# Altium PCB ALCT_MEZ_LX100.PcbDoc (part 5 of 10) (continued)
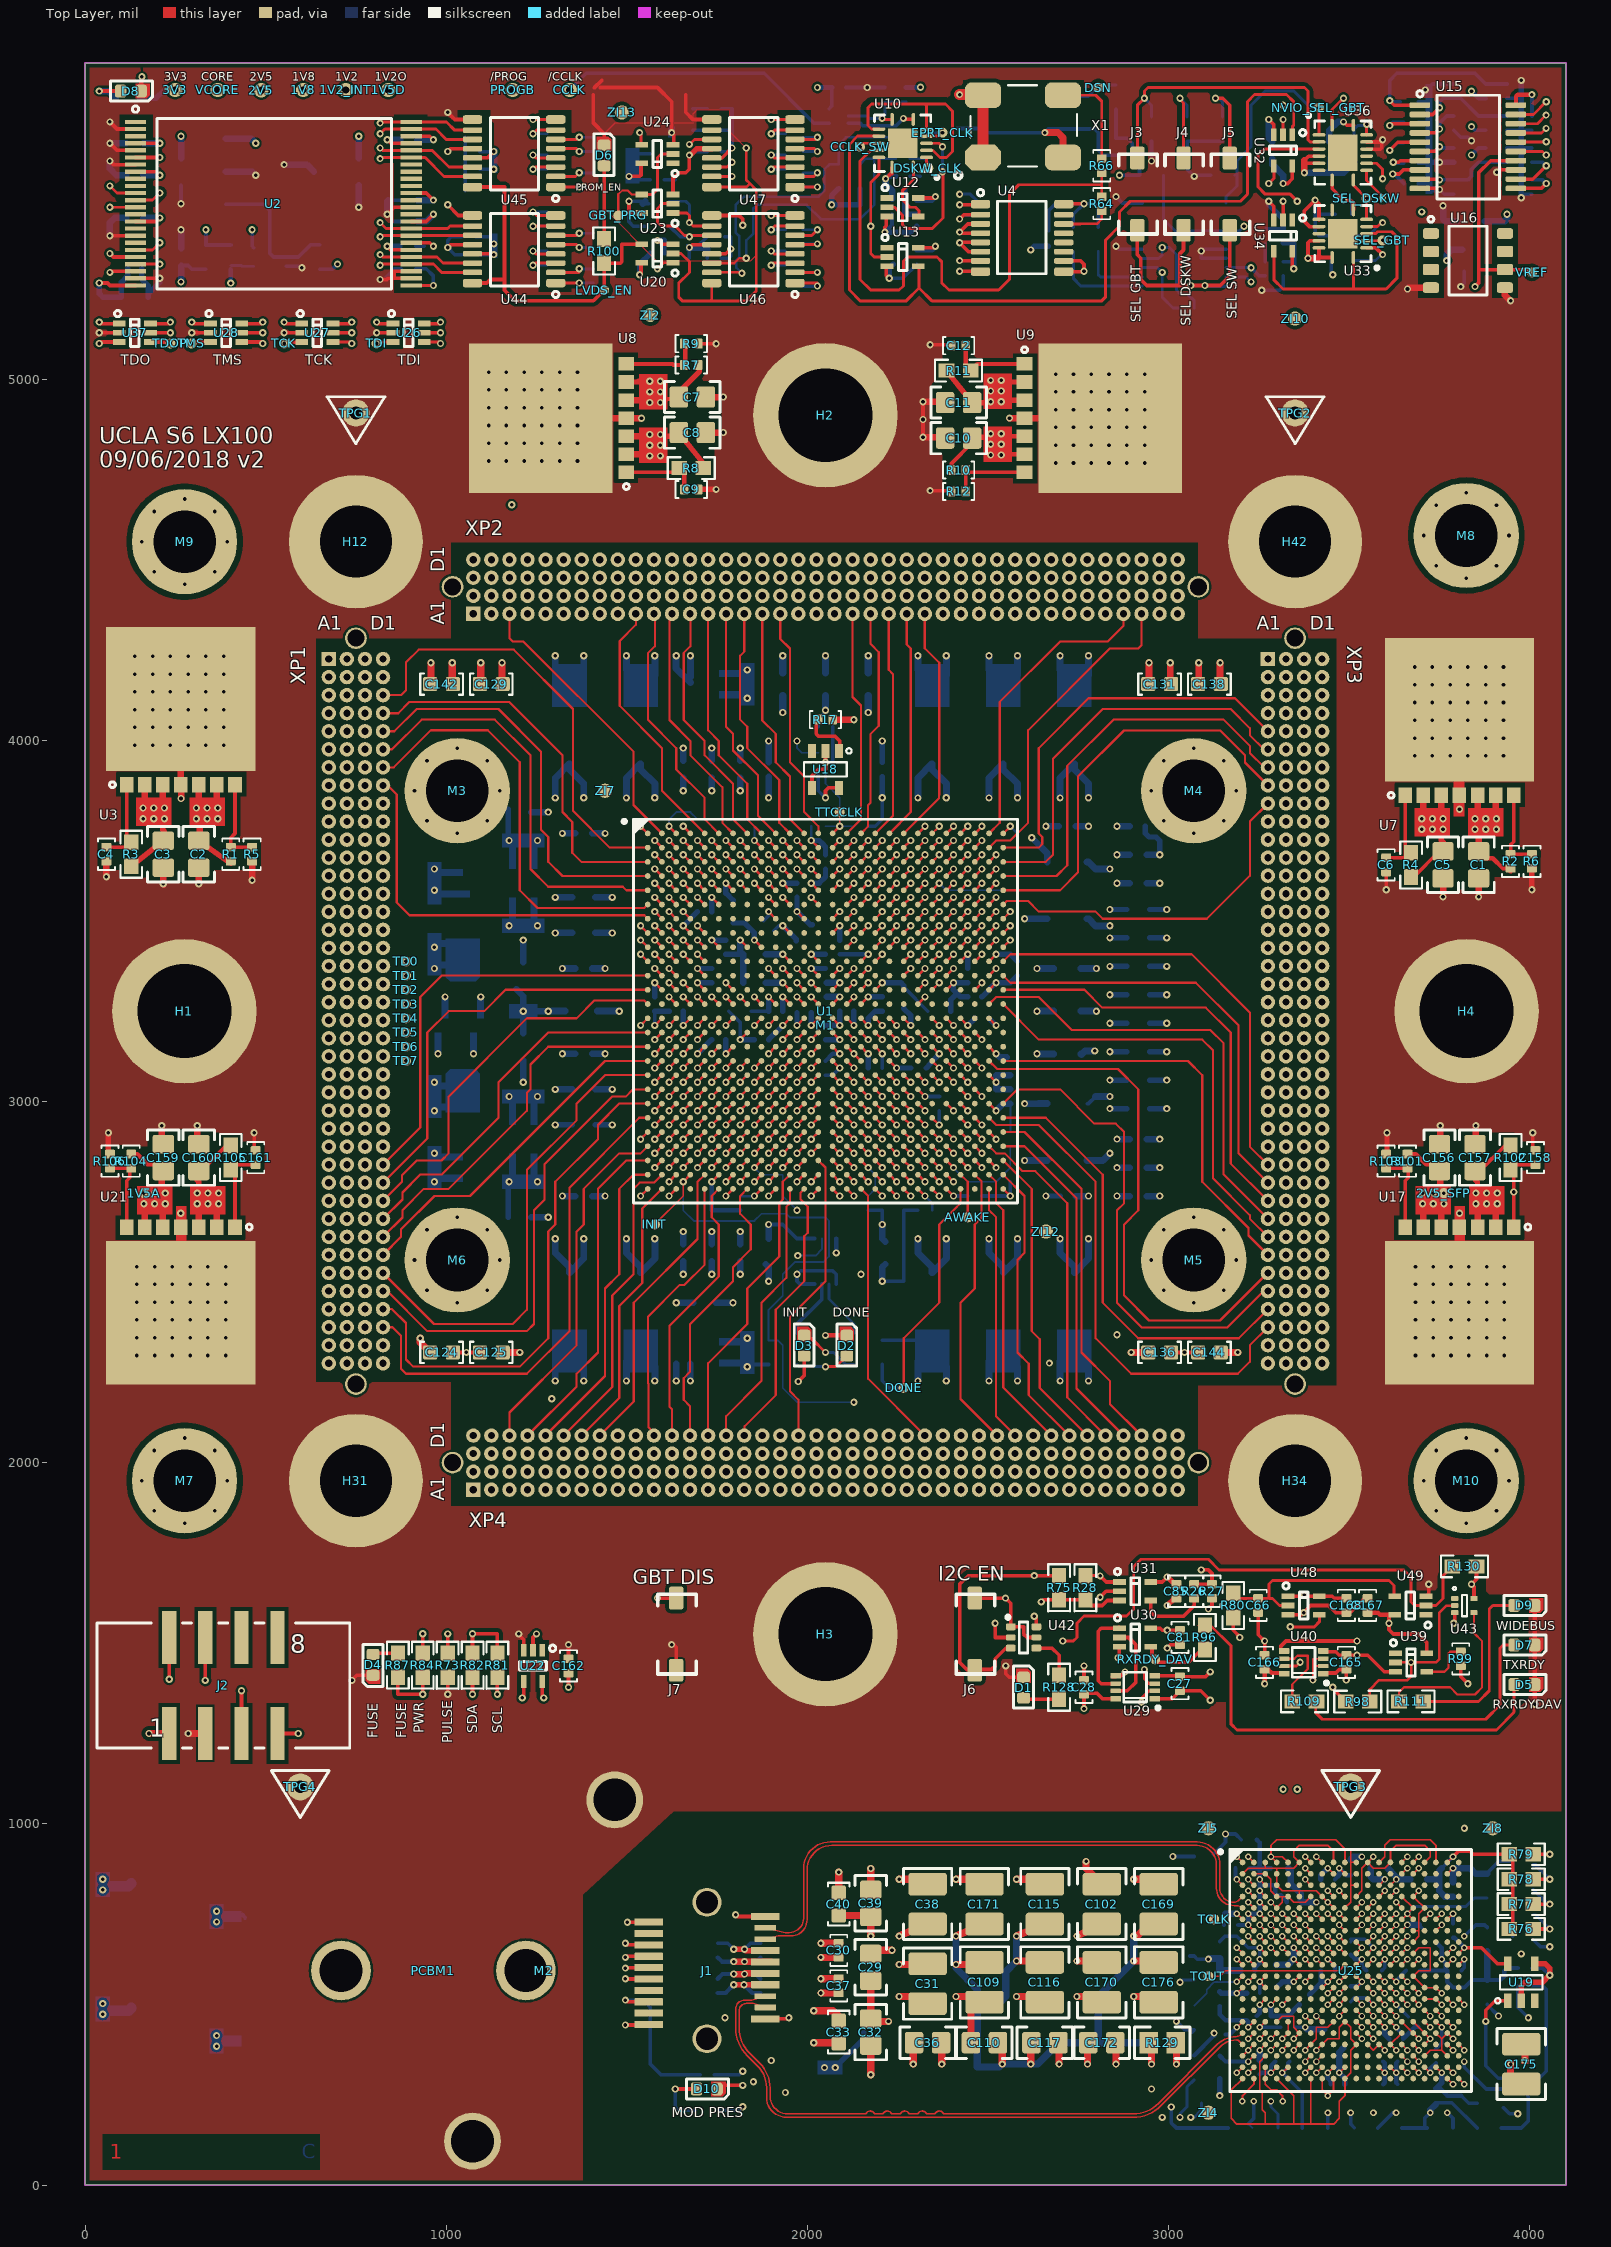
[diagram p0: Top Layer view]
## Nets (pads, with @x,y where several pads share a name; then routed paths per layer and width w, separated by ;. In a path a pad name is that pad's centre, name@x,y a point inside that pad or via, vN(x,y) a via of type N, cw(c..) or ccw(c..) an arc to the next point about the centre after c; other vN are vias at no path point) (continued)
gbt_override: R58.2 U34.2 U36.15 U47.11 | length 2480.4
  Top Layer w8: v1(1673.23,5649.79) 1687.02,5663.58 U47.11@1735.24,5663.58 ; U36.15@3548.23,5676.18 3548.23,5704.72 v1(3548.72,5705.22)
  Top Layer w10: U34.2@3316.93,5442.32 v1(3316.93,5492.32)
  Mid-Layer 4 w5: v1(1673.23,5649.79) 1673.23,5659.45 1683.07,5669.29 1801.18,5669.29 1811.02,5659.45 1811.02,5590.75 1820.87,5580.91 1850.39,5580.91 1860.24,5590.75 1860.24,5630.12 1879.92,5649.8 1938.98,5649.8 1978.35,5689.17 2057.09,5689.17 2125.98,5620.28 2874.02,5620.28 2913.39,5580.91 3169.29,5580.91 3239.87,5510.32 3298.93,5510.32 v1(3316.93,5492.32) 3366.14,5541.54 3494.09,5541.54 3548.72,5596.16 v1(3548.72,5705.22)
  Bottom Layer w8: R58.2@3513.78,5666.73 3513.78,5692.32 3523.62,5702.17 3545.67,5702.17 v1(3548.72,5705.22)
gbt_override_n: R126.2 U25.F13 U47.5 | length 6922.4
  Top Layer w5: U25.F13@3582.68,735.63 v2(3598.43,751.38)
  Top Layer w8: U47.5@1965.55,5637.99 2019.69,5637.99 v1(2027.56,5630.12)
  Mid-Layer 6 w3.5: v1(2027.56,5630.12) 2040.99,5643.55 2076.77,5643.55 2103.64,5616.68 2103.64,5314.14 2170.02,5247.76 2350.86,5247.76 2480.32,5118.31 3484.25,5118.31 3560.33,5042.22 3560.33,2367.07 3671.2,2256.2 3865.79,2256.2 4005.85,2116.14 4005.85,1690.91 3937.01,1622.07 3937.01,965.91 3781.26,810.16 3735.94,810.16 3692.67,766.88 3661.42,766.88
  Mid-Layer 6 w4: v2(3598.43,751.38) 3598.92,751.38 3614.42,766.88 3661.42,766.88
  Bottom Layer w8: R126.2@1988.19,5630.12 v1(2027.56,5630.12)
gbt_override_p: R126.1 U25.F14 U47.6 | length 6939.1
  Top Layer w5: U25.F14@3614.17,735.63 v2(3629.92,751.38)
  Top Layer w8: U47.6@1965.55,5663.58 2021.65,5663.58 v1(2027.56,5669.49)
  Mid-Layer 6 w3.5: v1(2027.56,5669.49) 2040.99,5656.05 2081.95,5656.05 2116.14,5621.86 2116.14,5319.32 2175.2,5260.26 2356.04,5260.26 2485.49,5130.81 3489.43,5130.81 3572.83,5047.4 3572.83,2372.24 3676.38,2268.7 3870.96,2268.7 4018.35,2121.32 4018.35,1685.73 3949.51,1616.89 3949.51,960.73 3786.44,797.66 3741.12,797.66 3679.34,735.88 3661.42,735.88
  Mid-Layer 6 w4: v2(3629.92,751.38) 3630.42,751.38 3645.92,735.88 3661.42,735.88
  Bottom Layer w8: R126.1@1988.19,5669.49 v1(2027.56,5669.49)
gbt_p\r\g\: GBT_PRG.1 U23.4 U24.2 | length 319.4
  Top Layer w6: GBT_PRG.1@1476.38,5452.95 1476.38,5512.01 1486.22,5521.85 1503.15,5521.85 1513.78,5511.22 U23.4@1541.34,5511.22
  Top Layer w8: U23.4@1541.34,5511.22 1570.87,5511.22 1584.65,5525 1584.65,5613.58 1594.49,5623.43 U24.2@1627.95,5623.43 U24.2@1629.92,5623.43
gbt_p\r\g\_n: R123.2 U25.A2 U46.8 | length 8726.6
  Top Layer w5: v2(3220.47,908.86) U25.A2@3236.22,893.11
  Top Layer w8: v1(1899.59,5452.95) U46.8@1965.55,5452.95
  Mid-Layer 8 w3.5: v1(1899.59,5452.95) 1913.03,5439.52 1960.25,5439.52 1981,5418.76 1981,5361.71 1998.03,5344.69 2045.24,5344.69 2079.43,5310.49 2079.43,5231.24 2044.34,5196.15 1744.89,5196.15 1683.07,5134.33 1069.17,5134.33 994.09,5059.25 603.05,5059.25 440.14,4896.34 440.14,4097.46 475.1,4062.5 475.1,3678.64 505.63,3648.11 505.63,2326.69 451.75,2272.82 451.75,1703.96 501.97,1653.74 1571.31,1653.74 1572.32,1654.75 1596.97,1654.75 1597.98,1653.74 1781.5,1653.74 1863.9,1736.14 2297.48,1736.14 2655.47,1378.15 2698.09,1378.15 2698.31,1378.37 2722.95,1378.37 2723.18,1378.15 2854.07,1378.15 3210.97,1021.25 3210.97,918.36 v2(3220.47,908.86)
  Bottom Layer w8: v1(1899.59,5452.95) R123.2@1938.98,5452.95
gbt_p\r\g\_p: R123.1 U25.A1 U46.7 | length 8709.9
  Top Layer w5: v2(3188.98,908.86) U25.A1@3204.72,893.11
  Top Layer w8: v1(1899.61,5413.58) 1909.45,5423.43 U46.7@1965.55,5423.43
  Mid-Layer 8 w3.5: v1(1899.61,5413.58) 1913.04,5427.02 1955.07,5427.02 1968.5,5413.58 1968.5,5356.54 1992.85,5332.19 2040.06,5332.19 2066.93,5305.32 2066.93,5236.42 2039.16,5208.65 1739.71,5208.65 1677.89,5146.83 1064,5146.83 988.92,5071.75 597.87,5071.75 427.64,4901.52 427.64,4092.28 462.6,4057.32 462.6,3673.46 493.13,3642.93 493.13,2331.87 439.25,2277.99 439.25,1698.78 496.79,1641.24 1576.49,1641.24 1577.5,1642.25 1591.79,1642.25 1592.8,1641.24 1786.67,1641.24 1869.08,1723.64 2292.3,1723.64 2650.3,1365.65 2703.26,1365.65 2703.49,1365.87 2717.78,1365.87 2718,1365.65 2848.9,1365.65 3198.47,1016.07 3198.47,918.36 v2(3188.98,908.86)
  Bottom Layer w8: v1(1899.61,5413.58) R123.1@1938.98,5413.58
gbt_p\r\g\_x: R56.2 U23.1 U46.10 | length 242.4
  Top Layer w8: U23.1@1627.95,5460.04 1666.14,5460.04 1673.23,5452.95 v1(1673.23,5433.27) 1683.07,5423.43 U46.10@1735.24,5423.43
  Bottom Layer w8: R56.2@1618.11,5492.32 1663.39,5492.32 1673.23,5482.48 v1(1673.23,5433.27)
gbt_prg_d0_n: R112.2 U25.U20 U44.1 | length 7610.4
  Top Layer w5: U25.U20@3803.15,389.17 v2(3818.9,373.43)
  Top Layer w8: U44.1@1303.15,5265.94 v1(1368.1,5265.94)
  Mid-Layer 10 w3.5: v1(1368.1,5265.94) 1381.53,5279.38 1472.79,5279.38 1616.83,5135.33 2788.09,5135.33 2886.52,5036.91 3759.84,5036.91 3986.22,4810.53 3986.22,3817.09 3962.87,3793.74 3962.87,3517.64 4005.91,3474.61 4005.91,3029.69 3972.72,2996.5 3972.72,2868.03 4005.91,2834.84 4005.91,2185.04 4025.53,2165.41 4025.53,1653.68 3943.19,1571.34 3943.19,1427.36 3943.19,1415.61 3943.19,1392.11 3935.19,1392.11 3935.19,1368.61 3943.19,1368.61 3943.19,1328.94 3943.19,388.23 3928.39,373.43 v2(3818.9,373.43)
  Bottom Layer w8: v1(1368.1,5265.94) R112.2@1407.48,5265.95
gbt_prg_d0_p: R112.1 U25.U19 U44.2 | length 7674.8
  Top Layer w5: U25.U19@3771.65,389.17 v2(3787.4,373.43)
  Top Layer w8: U44.2@1303.15,5295.47 v1@1368.11,5295.47
  Mid-Layer 10 w3.5: v1(1368.11,5305.32) 1381.55,5291.88 1477.96,5291.88 1622.01,5147.83 2793.27,5147.83 2891.69,5049.41 3765.02,5049.41 3998.72,4815.71 3998.72,3811.91 3975.37,3788.56 3975.37,3522.82 4018.41,3479.78 4018.41,3024.51 3985.22,2991.32 3985.22,2873.21 4018.41,2840.02 4018.41,2190.22 4035.37,2173.25 4038.03,2170.59 4038.03,1648.5 3955.69,1566.16 3955.69,383.05 3930.81,358.18 3802.65,358.18 v2(3787.4,373.43)
  Bottom Layer w8: v1(1368.11,5305.32) R112.1@1407.48,5305.32
gbt_prg_d1_n: R113.2 U25.N16 U44.4 | length 8236.9
  Top Layer w5: U25.N16@3677.17,515.16 v2(3692.91,499.41)
  Top Layer w8: v1(1240.16,5354.53) 1248.03,5346.65 U44.4@1303.15,5346.65
  Mid-Layer 10 w3.5: v1(1240.16,5354.53) 1226.72,5341.09 1166.08,5341.09 1139.08,5314.09 1139.08,5292.99 1139.3,5292.77 1139.3,5174.92 1080.02,5115.65 1080.02,4968.01 898.33,4786.32 585.37,4786.32 537.68,4738.62 537.68,4403.46 582.72,4358.43 582.72,1799.37 973.41,1408.68 1061.99,1408.68 1102.36,1368.31 1102.36,1281.73 1441.67,942.42 1742.13,942.42 1877.26,807.28 1877.26,588.23 1963.55,501.94 2153.28,501.94 2212.56,561.22 2440.95,561.22 2559.06,443.11 2923.23,443.11 2955.41,410.93 3056.3,410.93 3090.55,376.67 3162.66,376.67 3174.66,388.68 3352.77,388.68 3372.27,408.17 3470.87,408.17 3509.69,446.99 3509.69,505.16 3519.19,514.66 3677.66,514.66 v2(3692.91,499.41)
  Bottom Layer w8: v1(1240.16,5354.53) R113.2@1279.53,5354.53
gbt_prg_d1_p: R113.1 U25.M16 U44.3 | length 8243.7
  Top Layer w5: U25.M16@3677.17,546.65 v2(3692.91,530.91)
  Top Layer w8: v1(1240.16,5315.16) 1246.06,5321.06 U44.3@1303.15,5321.06
  Mid-Layer 10 w3.5: v1(1240.16,5315.16) 1226.72,5328.59 1171.26,5328.59 1151.58,5308.91 1151.58,5298.16 1151.8,5297.94 1151.8,5169.75 1092.52,5110.47 1092.52,4962.83 903.5,4773.82 590.55,4773.82 550.18,4733.45 550.18,4408.64 595.22,4363.6 595.22,1804.55 978.58,1421.18 1067.17,1421.18 1114.86,1373.49 1114.86,1286.91 1446.85,954.92 1747.3,954.92 1889.76,812.46 1889.76,593.41 1968.73,514.44 2148.1,514.44 2207.38,573.72 2446.12,573.72 2564.23,455.61 2928.41,455.61 2960.59,423.43 3061.48,423.43 ; 3090.55,394.35 3061.48,423.43 ; v2(3692.91,530.91) 3677.66,546.16 3533.01,546.16 3497.19,510.34 3497.19,452.17 3465.69,420.67 3188.98,420.67 3157.48,389.17 3095.73,389.17 3061.48,423.43
  Bottom Layer w8: v1(1240.16,5315.16) R113.1@1279.53,5315.16
gbt_prg_d2_n: R114.2 U25.Y20 U44.5 | length 7872.5
  Top Layer w5: U25.Y20@3803.15,294.69 v2(3818.9,278.94)
  Top Layer w8: U44.5@1303.15,5372.24 1360.24,5372.24 v1(1368.11,5364.37)
  Mid-Layer 10 w3.5: v1(1368.11,5364.37) 1387.8,5384.06 1530.3,5384.06 1599.15,5315.2 1655.51,5315.2 1776.32,5194.39 2827.46,5194.39 2942.91,5078.94 3838.58,5078.94 4039.91,4877.61 4039.91,2249.4 4064.9,2224.41 4064.9,1565.1 3984.03,1484.23 3984.03,1407.68 3984.03,1395.93 3984.03,1372.43 3977.19,1372.43 3977.19,1348.93 3984.03,1348.93 3984.03,1328.94 3984.03,841.01 4025.37,799.67 4025.37,324.78 3979.53,278.94 v2(3818.9,278.94)
  Bottom Layer w8: v1(1368.11,5364.37) R114.2@1407.48,5364.37
gbt_prg_d2_p: R114.1 U25.Y19 U44.6 | length 7933.2
  Top Layer w5: U25.Y19@3771.65,294.69 v2(3787.4,278.94)
  Top Layer w8: U44.6@1303.15,5397.83 1362.2,5397.83 v1(1368.11,5403.74)
  Mid-Layer 10 w3.5: v1(1368.11,5403.74) 1375.3,5396.56 1535.48,5396.56 1604.33,5327.7 1660.68,5327.7 1781.5,5206.89 2832.64,5206.89 2948.09,5091.44 3843.76,5091.44 4052.41,4882.79 4052.41,2254.58 4077.4,2229.59 4077.4,1559.92 3996.53,1479.05 3996.53,846.19 4037.87,804.85 4037.87,319.6 3981.96,263.69 3802.65,263.69 v2(3787.4,278.94)
  Bottom Layer w8: v1(1368.11,5403.74) R114.1@1407.48,5403.74
gbt_prg_d3_n: R115.2 U25.W2 U44.8 | length 8275.7
  Top Layer w5: v2(3220.47,310.43) U25.W2@3236.22,326.18
  Top Layer w8: v1(1240.16,5462.8) 1250,5452.95 U44.8@1303.15,5452.95
  Mid-Layer 10 w3.5: v1(1240.16,5462.8) 1226.72,5449.36 1156.24,5449.36 1033.46,5326.59 1033.46,5010.04 868.8,4845.37 536.16,4845.37 468.78,4777.99 468.78,4120.04 530.61,4058.21 530.61,1738.91 875.98,1393.54 875.98,1289.57 981.59,1183.96 981.59,496.99 1264.51,214.07 1641.04,214.07 1664.39,237.42 1831.71,237.42 1852.4,216.73 2601.08,216.73 2679.53,295.18 3205.22,295.18 v2(3220.47,310.43)
  Bottom Layer w8: v1(1240.16,5462.8) R115.2@1279.53,5462.8
gbt_prg_d3_p: R115.1 U25.W1 U44.7 | length 8198.7
  Top Layer w5: v2(3188.98,310.43) U25.W1@3204.72,326.18
  Top Layer w8: v1(1240.16,5423.43) U44.7@1303.15,5423.43
  Mid-Layer 10 w3.5: v1(1240.16,5423.43) 1226.72,5436.86 1161.42,5436.86 1045.96,5321.41 1045.96,5004.86 873.98,4832.87 541.34,4832.87 481.28,4772.82 481.28,4125.22 543.11,4063.39 543.11,1744.09 888.48,1398.71 888.48,1294.74 994.09,1189.13 994.09,502.17 1269.69,226.57 1635.87,226.57 1659.21,249.92 1836.89,249.92 1857.58,229.23 2595.91,229.23 2677.11,310.43 v2(3188.98,310.43) v2@3194.15,310.43
  Bottom Layer w8: v1(1240.16,5423.43) R115.1@1279.53,5423.43
gbt_prg_d4_n: R116.2 U25.N19 U45.1 | length 8175.7
  Top Layer w5: U25.N19@3771.65,515.16 v2(3787.4,499.41)
  Top Layer w8: U45.1@1303.15,5531.69 v1(1368.11,5531.69)
  Mid-Layer 10 w3.5: 1334.1,5413.58 1334.1,5191.69 1444.19,5081.59 1444.19,4817.85 1530.26,4731.79 1796,4731.79 1835.22,4692.58 2128.48,4692.58 2169.02,4652.05 2875.53,4652.05 3056.36,4832.87 3582.68,4832.87 3651.58,4763.98 3651.58,4389.96 3530.81,4269.19 3530.81,2386.75 3702.99,2214.57 3907.42,2214.57 3996,2125.98 3996,1712.74 3900.89,1617.62 3900.89,1427.36 3900.89,1415.61 3900.89,1392.11 3892.89,1392.11 3892.89,1368.61 3900.89,1368.61 3900.89,1279.72 3900.89,677.82 3796.9,573.83 3796.9,508.91 v2(3787.4,499.41) ; 1334.11,5413.6 1334.11,5417.82 1371.9,5455.61 1429.82,5455.61 1456.69,5482.48 1456.69,5525.44 1437.01,5545.13 1381.55,5545.13 v1(1368.11,5531.69)
  Bottom Layer w8: v1(1368.11,5531.69) R116.2@1407.48,5531.69
gbt_prg_d4_p: R116.1 U25.N20 U45.2 | length 8184.5
  Top Layer w5: U25.N20@3803.15,515.16 v2(3818.9,499.41)
  Top Layer w8: U45.2@1303.15,5561.22 1358.27,5561.22 v1(1368.11,5571.06)
  Mid-Layer 10 w3.5: 1346.6,5408.41 1346.6,5196.87 1456.69,5086.77 1456.69,4823.03 1535.43,4744.29 1801.18,4744.29 1840.39,4705.08 2133.66,4705.08 2174.19,4664.55 2870.35,4664.55 3051.18,4845.37 3587.86,4845.37 3664.08,4769.15 3664.08,4384.78 3543.31,4264.02 3543.31,2391.93 3708.17,2227.07 3912.6,2227.07 4008.5,2131.16 4008.5,1707.56 3913.39,1612.44 3913.39,672.64 3809.4,568.65 3809.4,508.91 v2(3818.9,499.41) ; 1346.61,5408.42 1346.61,5412.65 1377.08,5443.11 1435,5443.11 1469.19,5477.3 1469.19,5530.62 1442.19,5557.63 1381.55,5557.63 v1(1368.11,5571.06)
  Bottom Layer w8: v1(1368.11,5571.06) R116.1@1407.48,5571.06
gbt_prg_d5_n: R117.2 U25.V8 U45.4 | length 9401.1
  Top Layer w5: v2(3409.45,341.93) U25.V8@3425.2,357.68
  Top Layer w8: v1(1240.16,5620.28) 1248.03,5612.4 U45.4@1303.15,5612.4
  Mid-Layer 10 w3.5: v1(1240.16,5620.28) 1220.47,5600.59 1210.63,5600.59 1163.88,5553.84 979.07,5553.84 922.54,5497.3 922.54,5074.27 858.31,5010.04 189.02,5010.04 95.77,4916.79 95.77,3774.55 462.6,3407.72 462.6,2974.65 492.13,2945.12 492.13,1704.96 807.09,1390 807.09,1272.83 905.51,1174.41 905.51,506.83 1237.64,174.7 2920.57,174.7 2992.13,246.26 3093.74,246.26 3152.3,187.7 3377.95,187.7 3406.2,215.94 3406.2,244.19 3425.2,263.19 3425.2,326.18 v2(3409.45,341.93)
  Bottom Layer w8: v1(1240.16,5620.28) R117.2@1279.53,5620.28
gbt_prg_d5_p: R117.1 U25.W8 U45.3 | length 9293.6
  Top Layer w5: v2(3409.45,310.43) U25.W8@3425.2,326.18
  Top Layer w8: v1(1240.16,5580.91) 1246.06,5586.81 U45.3@1303.15,5586.81
  Mid-Layer 10 w3.5: v1(1240.16,5580.91) 1232.97,5588.09 1215.81,5588.09 1169.06,5541.34 984.25,5541.34 935.04,5492.13 935.04,5069.09 863.48,4997.54 194.19,4997.54 108.27,4911.61 108.27,3779.72 475.1,3412.89 475.1,2979.82 504.63,2950.3 504.63,1710.14 819.59,1395.18 819.59,1278.01 918.01,1179.59 918.01,512.01 1242.82,187.2 2915.39,187.2 2986.95,258.76 3098.92,258.76 3157.48,200.2 3372.78,200.2 3393.7,221.12 3393.7,294.69 v2(3409.45,310.43)
  Bottom Layer w8: v1(1240.16,5580.91) R117.1@1279.53,5580.91
gbt_prg_d6_n: R118.2 U25.K19 U45.5 | length 8024.4
  Top Layer w5: U25.K19@3771.65,609.65 v2(3787.4,625.39)
  Top Layer w8: U45.5@1303.15,5637.99 1360.24,5637.99 v1(1368.11,5630.12)
  Mid-Layer 10 w3.5: v1(1368.11,5630.12) 1387.8,5649.8 1417.32,5649.8 1427.17,5639.96 1427.17,5620.28 1411.95,5605.06 1335.22,5605.06 1299.21,5569.06 1299.21,5159.68 1394.98,5063.92 1394.98,4660.37 1461.36,4594 2910.73,4594 3041.34,4724.61 3454.72,4724.61 3545.31,4634.02 3545.31,4478.54 3471.75,4404.98 3471.75,2384.74 3714.23,2142.27 3863.62,2142.27 3966.54,2039.35 3966.54,1760 3845.99,1639.46 3845.99,1486.42 3845.99,1474.67 3845.99,1451.17 3837.99,1451.17 3837.99,1427.67 3845.99,1427.67 3845.99,1338.78 3845.99,780.4 3772.15,706.56 3772.15,640.64 v2(3787.4,625.39)
  Mid-Layer 10 w4: v1@1366.54,5631.69 v1@1368.11,5633.27
  Bottom Layer w8: v1(1368.11,5630.12) R118.2@1407.48,5630.12
gbt_prg_d6_p: R118.1 U25.J19 U45.6 | length 8041.9
  Top Layer w5: U25.J19@3771.65,641.14 v2(3787.4,656.89)
  Top Layer w8: U45.6@1303.15,5663.58 1362.2,5663.58 v1(1368.11,5669.49)
  Mid-Layer 10 w3.5: v1(1368.11,5669.49) 1375.3,5662.3 1422.5,5662.3 1439.67,5645.14 1439.67,5615.1 1417.13,5592.56 1340.4,5592.56 1311.71,5563.88 1311.71,5164.86 1407.48,5069.09 1407.48,4665.55 1466.54,4606.5 1525.59,4606.5 1534.84,4606.5 1534.84,4612.49 1553.34,4612.49 1553.34,4606.5 1571.84,4606.5 1571.84,4612.49 1590.34,4612.49 1590.34,4606.5 1608.84,4606.5 1608.84,4612.49 1627.34,4612.49 1627.34,4606.5 1645.84,4606.5 1645.84,4612.49 1664.34,4612.49 1664.34,4606.5 1682.84,4606.5 1682.84,4612.49 1701.34,4612.49 1701.34,4606.5 1830.71,4606.5 2905.55,4606.5 3036.16,4737.11 3459.9,4737.11 3557.81,4639.19 3557.81,4473.37 3484.25,4399.8 3484.25,2389.92 3719.41,2154.77 3868.8,2154.77 3979.04,2044.53 3979.04,1754.82 3858.49,1634.28 3858.49,775.22 3787.4,704.13 v2(3787.4,656.89)
  Bottom Layer w8: v1(1368.11,5669.49) R118.1@1407.48,5669.49
gbt_prg_d7_n: R119.2 U25.W16 U45.8 | length 10175.9
  Top Layer w5: U25.W16@3677.17,326.18 v2(3692.91,310.43)
  Top Layer w8: v1(1240.16,5718.7) U45.8@1303.15,5718.7
  Mid-Layer 10 w3.5: v1(1240.16,5718.7) 1226.72,5705.27 1156.24,5705.27 1123.12,5672.15 998.76,5672.15 883.17,5556.56 883.17,5337.36 846.46,5300.65 846.46,5072.91 826.77,5053.23 84.57,5053.23 26.87,4995.53 26.87,3715.23 108.27,3633.84 108.27,3386.02 55.39,3333.15 55.39,3086.57 89.59,3052.38 89.59,1389 149.65,1328.94 600.14,1328.94 816.93,1112.14 816.93,542.13 1223.72,135.33 3639.48,135.33 3683.42,179.27 3683.42,300.94 v2(3692.91,310.43)
  Bottom Layer w8: v1(1240.16,5718.7) R119.2@1279.53,5718.7
gbt_prg_d7_p: R119.1 U25.W15 U45.7 | length 10117.9
  Top Layer w5: U25.W15@3645.67,326.18 v2(3661.42,310.43)
  Top Layer w8: v1(1240.16,5679.33) 1250,5689.17 U45.7@1303.15,5689.17
  Mid-Layer 10 w3.5: v1(1240.16,5679.33) 1226.72,5692.77 1161.42,5692.77 1128.3,5659.65 1003.94,5659.65 895.67,5551.38 895.67,5332.19 858.96,5295.47 858.96,5067.74 830.79,5039.57 88.58,5039.57 39.37,4990.35 39.37,3720.41 120.77,3639.01 120.77,3380.85 67.89,3327.97 67.89,3091.75 102.09,3057.56 102.09,1394.17 154.82,1341.44 605.31,1341.44 829.43,1117.32 829.43,547.3 1228.9,147.83 3634.3,147.83 3670.92,184.45 3670.92,300.94 v2(3661.42,310.43)
  Bottom Layer w8: v1(1240.16,5679.33) R119.1@1279.53,5679.33
gbt_prg_dis_n: R122.2 U25.F5 U46.5 | length 8942.9
  Top Layer w5: v2(3314.96,751.38) U25.F5@3330.71,735.63
  Top Layer w8: U46.5@1965.55,5372.24 2025.59,5372.24 v1(2027.56,5374.21)
  Mid-Layer 8 w3.5: v1(2027.56,5374.21) 2047.24,5393.9 2086.61,5393.9 2111.67,5368.84 2111.67,5230.82 2055.5,5174.65 1769.95,5174.65 1697.58,5102.28 1068.66,5102.28 979.07,5012.7 595.22,5012.7 478.62,4896.1 478.62,4255.83 551.02,4183.43 551.02,2301.18 509.15,2259.31 509.15,1766.67 565.69,1710.14 1227.66,1710.14 1280.53,1763.01 2775.59,1763.01 2811.6,1763.01 2811.6,1757.7 2835.1,1757.7 2835.1,1763.01 2858.6,1763.01 2870.35,1763.01 2927.83,1705.54 2924.08,1701.78 2940.69,1685.16 2944.45,1688.92 2952.76,1680.61 3041.28,1592.09 3041.28,1315.3 3283.74,1072.83 3283.74,1050.12 3307.09,1026.77 3307.09,773.07 3321.87,758.29 v2(3314.96,751.38)
  Bottom Layer w8: R122.2@1988.19,5374.21 v1(2027.56,5374.21)
gbt_prg_dis_p: R122.1 U25.F6 U46.6 | length 8945
  Top Layer w5: v2(3346.46,751.38) U25.F6@3362.2,735.63
  Top Layer w8: U46.6@1965.55,5397.84 2011.81,5397.84 v1(2027.56,5413.58)
  Mid-Layer 8 w3.5: v1(2027.56,5413.58) 2034.74,5406.4 2047.24,5406.4 2091.79,5406.4 2124.17,5374.02 2124.17,5225.64 2060.68,5162.15 1775.12,5162.15 1702.76,5089.78 1073.84,5089.78 984.25,5000.2 600.39,5000.2 491.12,4890.93 491.12,4261 563.52,4188.6 563.52,2296 521.65,2254.13 521.65,1771.85 570.87,1722.64 1222.48,1722.64 1275.35,1775.51 2775.59,1775.51 2811.6,1775.51 2835.1,1775.51 2858.6,1775.51 2875.53,1775.51 2936.67,1714.37 2953.29,1697.76 2961.6,1689.45 3053.78,1597.27 3053.78,1320.47 3296.24,1078.01 3296.24,1055.3 3319.59,1031.95 3319.59,778.25 3330.71,767.13 v2(3346.46,751.38)
  Bottom Layer w8: R122.1@1988.19,5413.58 v1(2027.56,5413.58)
gbt_prg_disable: R57.2 U23.2 U46.11 | length 320.7
  Top Layer w8: U23.2@1627.95,5485.63 1597.64,5485.63 1584.65,5472.64 1584.65,5433.27 1594.49,5423.43 1633.86,5423.43 1659.45,5397.84 U46.11@1735.24,5397.84
  Bottom Layer w10: R57.2@1618.11,5423.43 1647.64,5393.9 v1(1673.23,5393.9)
gbt_r\e\s\e\t\: U25.M10 U48.4 | length 3704
  Top Layer w5: v2(3472.44,530.91) U25.M10@3488.19,546.65
  Top Layer w8: v1(3336.61,1545.47) 3403.54,1545.47 3417.32,1559.25 U48.4@3417.32,1578.94
  Mid-Layer 2 w8: v5(3566.93,200.2) 3598.43,231.69 3951.97,231.69 4025.59,305.32 4025.59,512.01 3976.38,561.22 v3(3976.38,639.96)
  Mid-Layer 4 w8: v1(3336.61,1545.47) 3316.93,1525.79 3316.93,1417.52 3435.04,1417.52 3435.04,1368.31 3484.25,1319.09 3838.58,1319.09 3913.39,1244.29 3913.39,702.95 v3(3976.38,639.96)
  Mid-Layer 6 w4: v2(3472.44,530.91) 3535.43,530.91 3551.18,546.65 3692.91,546.65 3724.41,578.15 3913.39,578.15 3956.69,534.84 3956.69,414.17 3897.64,355.12 3897.64,215.94 3830.12,148.43 3602.36,148.43 3566.93,183.86 v5(3566.93,200.2)
gbt_r\e\s\e\t\_ex: R130.1 U1.U8 U49.2 | length 5261.3
  Top Layer w7: v1(1813.78,3092.52) U1.U8@1833.46,3112.2
  Top Layer w8: v3(2706.69,1506.1) 2736.22,1506.1 2746.06,1515.95 2746.06,1555.32 2765.75,1575 2883.86,1575 2903.54,1594.69 2903.54,1712.8 2923.23,1732.48 3110.24,1732.48 3139.76,1702.95 3651.32,1702.95 3671.2,1683.07 3671.2,1614.17 3680.85,1604.53 U49.2@3712.6,1604.53 3740.35,1604.53 3759.84,1624.02 3759.84,1687.01 R130.1@3785.43,1712.6
  Mid-Layer 6 w5: v1(1813.78,3092.52) 1794.09,3112.2 1449.61,3112.2 1361.02,3023.62 1361.02,2718.5 1331.5,2688.98 1331.5,2561.02 1311.81,2541.34 1311.81,2521.65 1154.33,2364.17 1154.33,2255.91 924,2025.57 924,1822.26 974.41,1771.85 2185.04,1771.85 2450.79,1506.1 v3(2706.69,1506.1)
gbt_r\e\s\e\t\_rc: C66.1 R80.1 U48.2 U49.4 | length 645.7
  Top Layer w8: R80.1@3179.13,1637.99 R80.1@3192.91,1624.21 ; C66.1@3248.03,1624.21 R80.1@3192.91,1624.21 ; 3277.56,1624.21 3277.56,1663.58 3287.4,1673.43 3610.24,1673.43 3624.02,1659.65 U49.4@3624.02,1630.12 ; U48.2@3330.71,1604.53 3307.09,1604.53 3287.4,1624.21 R80.1@3192.91,1624.21
gbt_rx_rssi: C18.1 J1.8 R25.1 U15.6 | length 11396.5
  Top Layer w10: v1(1496.06,512.01) 1500.79,507.28 J1.8@1560.63,507.28 ; U15.6@3695.87,5630.31 3737.2,5630.31 v1(3750,5643.11)
  Mid-Layer 4 w15: v1(1496.06,512.01) 1535.43,512.01 1574.8,551.38 1574.8,925.39 1535.43,964.76 125.24,964.76 98.43,991.57 98.43,2775.79 196.85,2874.21 374.02,2874.21 521.65,3021.85 521.65,4360.4 472.44,4409.61 472.44,4714.73 561.02,4803.31 944.88,4803.31 1023.62,4724.57 1562.61,4724.57 1653.54,4815.5 1653.54,5197.01 1584.65,5265.91 1545.09,5265.91 1544.96,5265.78 1496.19,5265.78 1456.69,5305.28 1456.69,5748.19 1505.94,5797.44 1968.5,5797.44 1988.19,5777.76 2096.46,5777.76 2116.14,5758.07 2667.32,5758.07 2696.85,5728.54 3238.19,5728.54 3317.9,5808.26 3650.6,5808.26 3700.79,5758.07 3700.79,5669.49 3727.17,5643.11 v1(3750,5643.11)
  Bottom Layer w10: v1(1496.06,512.01) 1545.28,512.01 1564.96,492.32 1564.96,334.84 1594.49,305.32 R25.1@1702.76,305.32 ; v1(3750,5643.11) 3753.15,5639.96 C18.1@3789.37,5639.96
gbt_rxdatavalid: U29.7 U30.2 | length 233.5
  Top Layer w10: U29.7@2844.49,1368.31 2885.91,1368.31 2908.74,1391.14 2908.74,1496.26 2889.06,1515.94 U30.2@2864.17,1515.94 U30.2@2862.2,1515.94
gbt_rxdatavalid_lv: R22.1 U25.N9 U29.2 | length 1679.6
  Top Layer w5: v2(3440.95,499.41) U25.N9@3456.69,515.16
  Top Layer w8: v1(2925.08,1336.47) 2925.08,1347.71 2945.67,1368.31 U29.2@2970.47,1368.31
  Mid-Layer 4 w4: v1(2925.08,1336.47) 2925.08,943.23 2958.66,909.65 v1(3011.81,909.65) 3017.32,909.65 3111.02,1003.35 3409.45,1003.35 3503.94,908.86 3503.94,546.65 3456.69,546.65 3456.69,515.16 v2(3440.95,499.41)
  Bottom Layer w10: v1@3005.91,909.65 v1(3011.81,909.65) R22.1@3070.87,909.65
gbt_rxrdy: U29.6 U30.1 | length 241.7
  Top Layer w10: U29.6@2844.49,1387.99 2813.47,1387.99 2805.12,1396.34 2805.12,1533.58 2813.07,1541.54 U30.1@2862.2,1541.54 ; U30.1@2862.2,1544.69 U30.1@2863.46,1544.69
gbt_rxrdy_dav: R96.2 RXRDY_DAV.1 U20.2 U30.4 U46.16 U47.16 | length 8844.9
  Top Layer w8: U20.2@1627.95,5347.83 1650.39,5347.83 1673.23,5325 1673.23,5295.47 1643.7,5265.94 1643.7,5226.57 1653.54,5216.73 1732.28,5216.73 ; U46.16@1735.24,5265.95 1735.24,5219.69 1732.28,5216.73 ; U47.16@1735.24,5531.69 1830.91,5531.69 1840.65,5541.44 ; v1(1830.71,5639.76) 1830.71,5551.39 1840.65,5541.44 ; 1732.28,5216.73 1830.71,5216.73 1858.27,5244.29 1858.27,5523.82 1840.65,5541.44
  Top Layer w10: U30.4@2954.02,1493.5 2954.02,1463.98 v1(2962.6,1455.39) 2970.95,1447.05 3055.12,1447.05 R96.2@3084.65,1476.57
  Mid-Layer 4 w5: v1(1181.1,4651.78) 1620.12,4651.78 1722.44,4754.1 1722.44,5364.34 1702.76,5384.02 1702.76,5551.34 1643.7,5610.4 1643.7,5649.8 1643.7,5659.45 1673.23,5688.98 1820.87,5688.98 1830.71,5679.13 v1(1830.71,5639.76)
  Mid-Layer 10 w5: v1(1181.1,4651.78) 990.36,4651.78 915.35,4576.77 915.35,4388.98 878.74,4352.36 680.91,4352.36 629.92,4301.38 629.92,2167.32 649.61,2147.64 925.2,2147.64 944.88,2127.95 944.88,1791.54 2923.23,1791.54 2962.6,1752.17 v1(2962.6,1455.39)
gbt_rxrdy_lv: R23.1 U25.N10 U29.3 | length 1919.3
  Top Layer w5: v2(3472.44,499.41) U25.N10@3488.19,515.16
  Top Layer w8: v1(2933.07,1427.16) 2933.07,1400.6 2945.67,1387.99 U29.3@2961.61,1387.99 U29.3@2970.47,1387.99
  Mid-Layer 4 w4: v1(2933.07,1427.16) 2933.07,1425.87 2982.28,1376.65 2982.28,1151.77 3110.24,1023.82 3420.47,1023.82 3519.43,924.86 3519.43,515.41 3519.69,515.16 3488.19,515.16 v2(3472.44,499.41)
  Mid-Layer 6 w5: v5(3440.95,200.2) 3425.2,200.2 3417.32,208.07 3417.32,271.06 3425.2,278.94 3472.44,278.94 3503.94,310.43 3503.94,467.91 v2(3472.44,499.41)
  Bottom Layer w10: R23.1@3440.95,157.68 v5(3440.95,200.2)
gbt_scl: J2.7 R81.2 U25.G5 | length 3678.7
  Top Layer w5: v2(3314.96,719.88) U25.G5@3330.71,704.13
  Top Layer w10: J2.7@533.07,1250.2 v1(590.55,1250.2) ; v1(1141.73,1358.46) R81.2@1141.73,1405.71 v1(1141.73,1358.46)
  Mid-Layer 2 w4: v2(3314.96,719.88) 3330.71,735.63 3330.71,767.13
  Mid-Layer 2 w5: v1(1141.73,1358.46) 1141.73,1289.57 1197.83,1233.46 3274.41,1233.46 3385.83,1122.05 3385.83,1072.83 3330.71,1017.72 3330.71,767.13
  Mid-Layer 2 w10: v1(590.55,1250.2) 1023.03,1250.2 1043.31,1270.47 1043.31,1368.9 1062.99,1388.58 1131.89,1388.58 1141.73,1378.74 v1(1141.73,1358.46)
gbt_sda: J2.5 R82.2 U25.H5 | length 3700.6
  Top Layer w5: v2(3314.96,688.39) U25.H5@3330.71,672.64
  Top Layer w10: J2.5@433.07,1250.2 v1(433.07,1368.31) ; v1(1072.83,1358.46) R82.2@1072.84,1405.71
  Mid-Layer 2 w4: 3299.21,814.37 3299.21,704.13 v2(3314.96,688.39)
  Mid-Layer 2 w5: 1132.68,1229.72 1158.46,1203.94 3257.87,1203.94 3299.46,1162.35 3299.46,814.62 3299.21,814.37
  Mid-Layer 2 w6: v1(1072.83,1358.46) 1072.83,1289.57 1132.68,1229.72
  Mid-Layer 4 w10: v1(433.07,1368.31) 491.54,1309.84 1024.21,1309.84 v1(1072.83,1358.46)
gbt_sel_dskw_e\p\r\t\_clk: R59.2 U33.5 U47.15 | length 2073.4
  Top Layer w8: U47.15@1735.24,5561.22 v1(1791.34,5561.22) ; U33.5@3548.23,5422.24 3578.35,5422.24 3589.37,5433.27 v1(3592.52,5433.27)
  Mid-Layer 4 w6: v1(1791.34,5561.22) 1958.66,5561.22 1988.19,5590.75 2244.09,5590.75 2293.31,5541.54 3031.5,5541.54 3110.24,5462.8 3562.99,5462.8 v1(3592.52,5433.27)
  Bottom Layer w8: R59.2@3517.72,5397.05 3553.15,5397.05 3589.37,5433.27 v1(3592.52,5433.27)
gbt_sel_gbt_cclk_src_n: R124.2 U25.C7 U47.1 | length 9040.1
  Top Layer w5: v2(3377.95,845.87) U25.C7@3393.7,830.12
  Top Layer w8: U47.1@1965.55,5531.69 v1(2027.56,5531.68)
  Mid-Layer 8 w3.5: v1(2027.56,5531.68) 2014.12,5545.12 1999.83,5545.12 1988.19,5533.49 1988.19,5521.85 1995.37,5514.67 2091.79,5514.67 2158.17,5448.29 2158.17,5430.79 2157.95,5430.57 2157.95,5416.28 2158.17,5416.06 2158.17,5211.55 2074.76,5128.15 1879.92,5128.15 1792.34,5040.57 1121.04,5040.57 1117.01,5036.54 1110.18,5036.54 1100.07,5026.44 1100.07,5019.6 1038.64,4958.17 656.79,4958.17 538.81,4840.19 538.81,4323.59 603.05,4259.35 603.05,2199.74 569.86,2166.56 569.86,1851.59 629.92,1791.54 1062.99,1791.54 1114.86,1843.41 2918.56,1843.41 3090.49,1671.48 3090.49,1553.11 3149.55,1494.06 3149.55,1309.27 3356.3,1102.51 v1(3356.3,1095.67)
  Mid-Layer 10 w3.5: v1@3348.88,1095.67 v1(3356.3,1095.67) 3346.46,1085.83 3346.46,971.85 3393.7,924.61 3393.7,861.61 v2(3377.95,845.87)
  Bottom Layer w8: R124.2@1988.19,5531.69 v1(2027.56,5531.68)
gbt_sel_gbt_cclk_src_p: R124.1 U25.B7 U47.2 | length 9009.9
  Top Layer w5: v2(3377.95,877.36) U25.B7@3393.7,861.61
  Top Layer w8: U47.2@1965.55,5561.22 2017.72,5561.22 v1(2027.56,5571.06)
  Mid-Layer 8 w3.5: v1(2027.56,5571.06) 2014.12,5557.62 1994.65,5557.62 1975.69,5538.66 1975.69,5516.67 1990.2,5502.17 2086.61,5502.17 2145.67,5443.11 2145.67,5435.97 2145.45,5435.75 2145.45,5411.1 2145.67,5410.88 2145.67,5216.73 2069.59,5140.65 1874.74,5140.65 1787.17,5053.07 1115.87,5053.07 1111.84,5049.04 1105,5049.04 1087.57,5031.61 1087.57,5024.78 1033.46,4970.67 651.61,4970.67 526.31,4845.37 526.31,4318.41 590.55,4254.17 590.55,2204.92 557.36,2171.73 557.36,1846.42 624.74,1779.04 1068.17,1779.04 1120.04,1830.91 2913.39,1830.91 3077.99,1666.3 3077.99,1547.93 3137.05,1488.88 3137.05,1304.09 3316.93,1124.2 v1(3316.93,1095.67)
  Mid-Layer 10 w3.5: v1(3316.93,1095.67) 3333.96,1078.64 3333.96,921.36 v2(3377.95,877.36)
  Bottom Layer w8: R124.1@1988.19,5571.06 v1(2027.56,5571.06)
gbt_sel_gbt_x\p\r\m\: R60.2 U33.2 U47.14 | length 2497.3
  Top Layer w8: U47.14@1735.24,5586.81 1777.56,5586.81 v1(1791.34,5600.59)
  Top Layer w10: U33.2@3548.23,5363.19 3574.02,5363.19 v1(3592.52,5344.69)
  Mid-Layer 4 w6: v1(1791.34,5600.59) 1771.65,5600.59 1761.81,5590.75 1761.81,5512.01 1771.65,5502.17 2283.46,5502.17 2303.15,5482.48 2303.15,5265.94 2322.83,5246.26 2962.6,5246.26 3011.81,5197.05 3513.78,5197.05 3592.52,5275.79 v1(3592.52,5344.69)
  Bottom Layer w8: R60.2@3517.72,5328.15 3572.83,5328.15 3589.37,5344.69 v1(3592.52,5344.69)